# Altium PCB LimeSDR-Micro_1v1.PcbDoc (part 6 of 9) (continued)
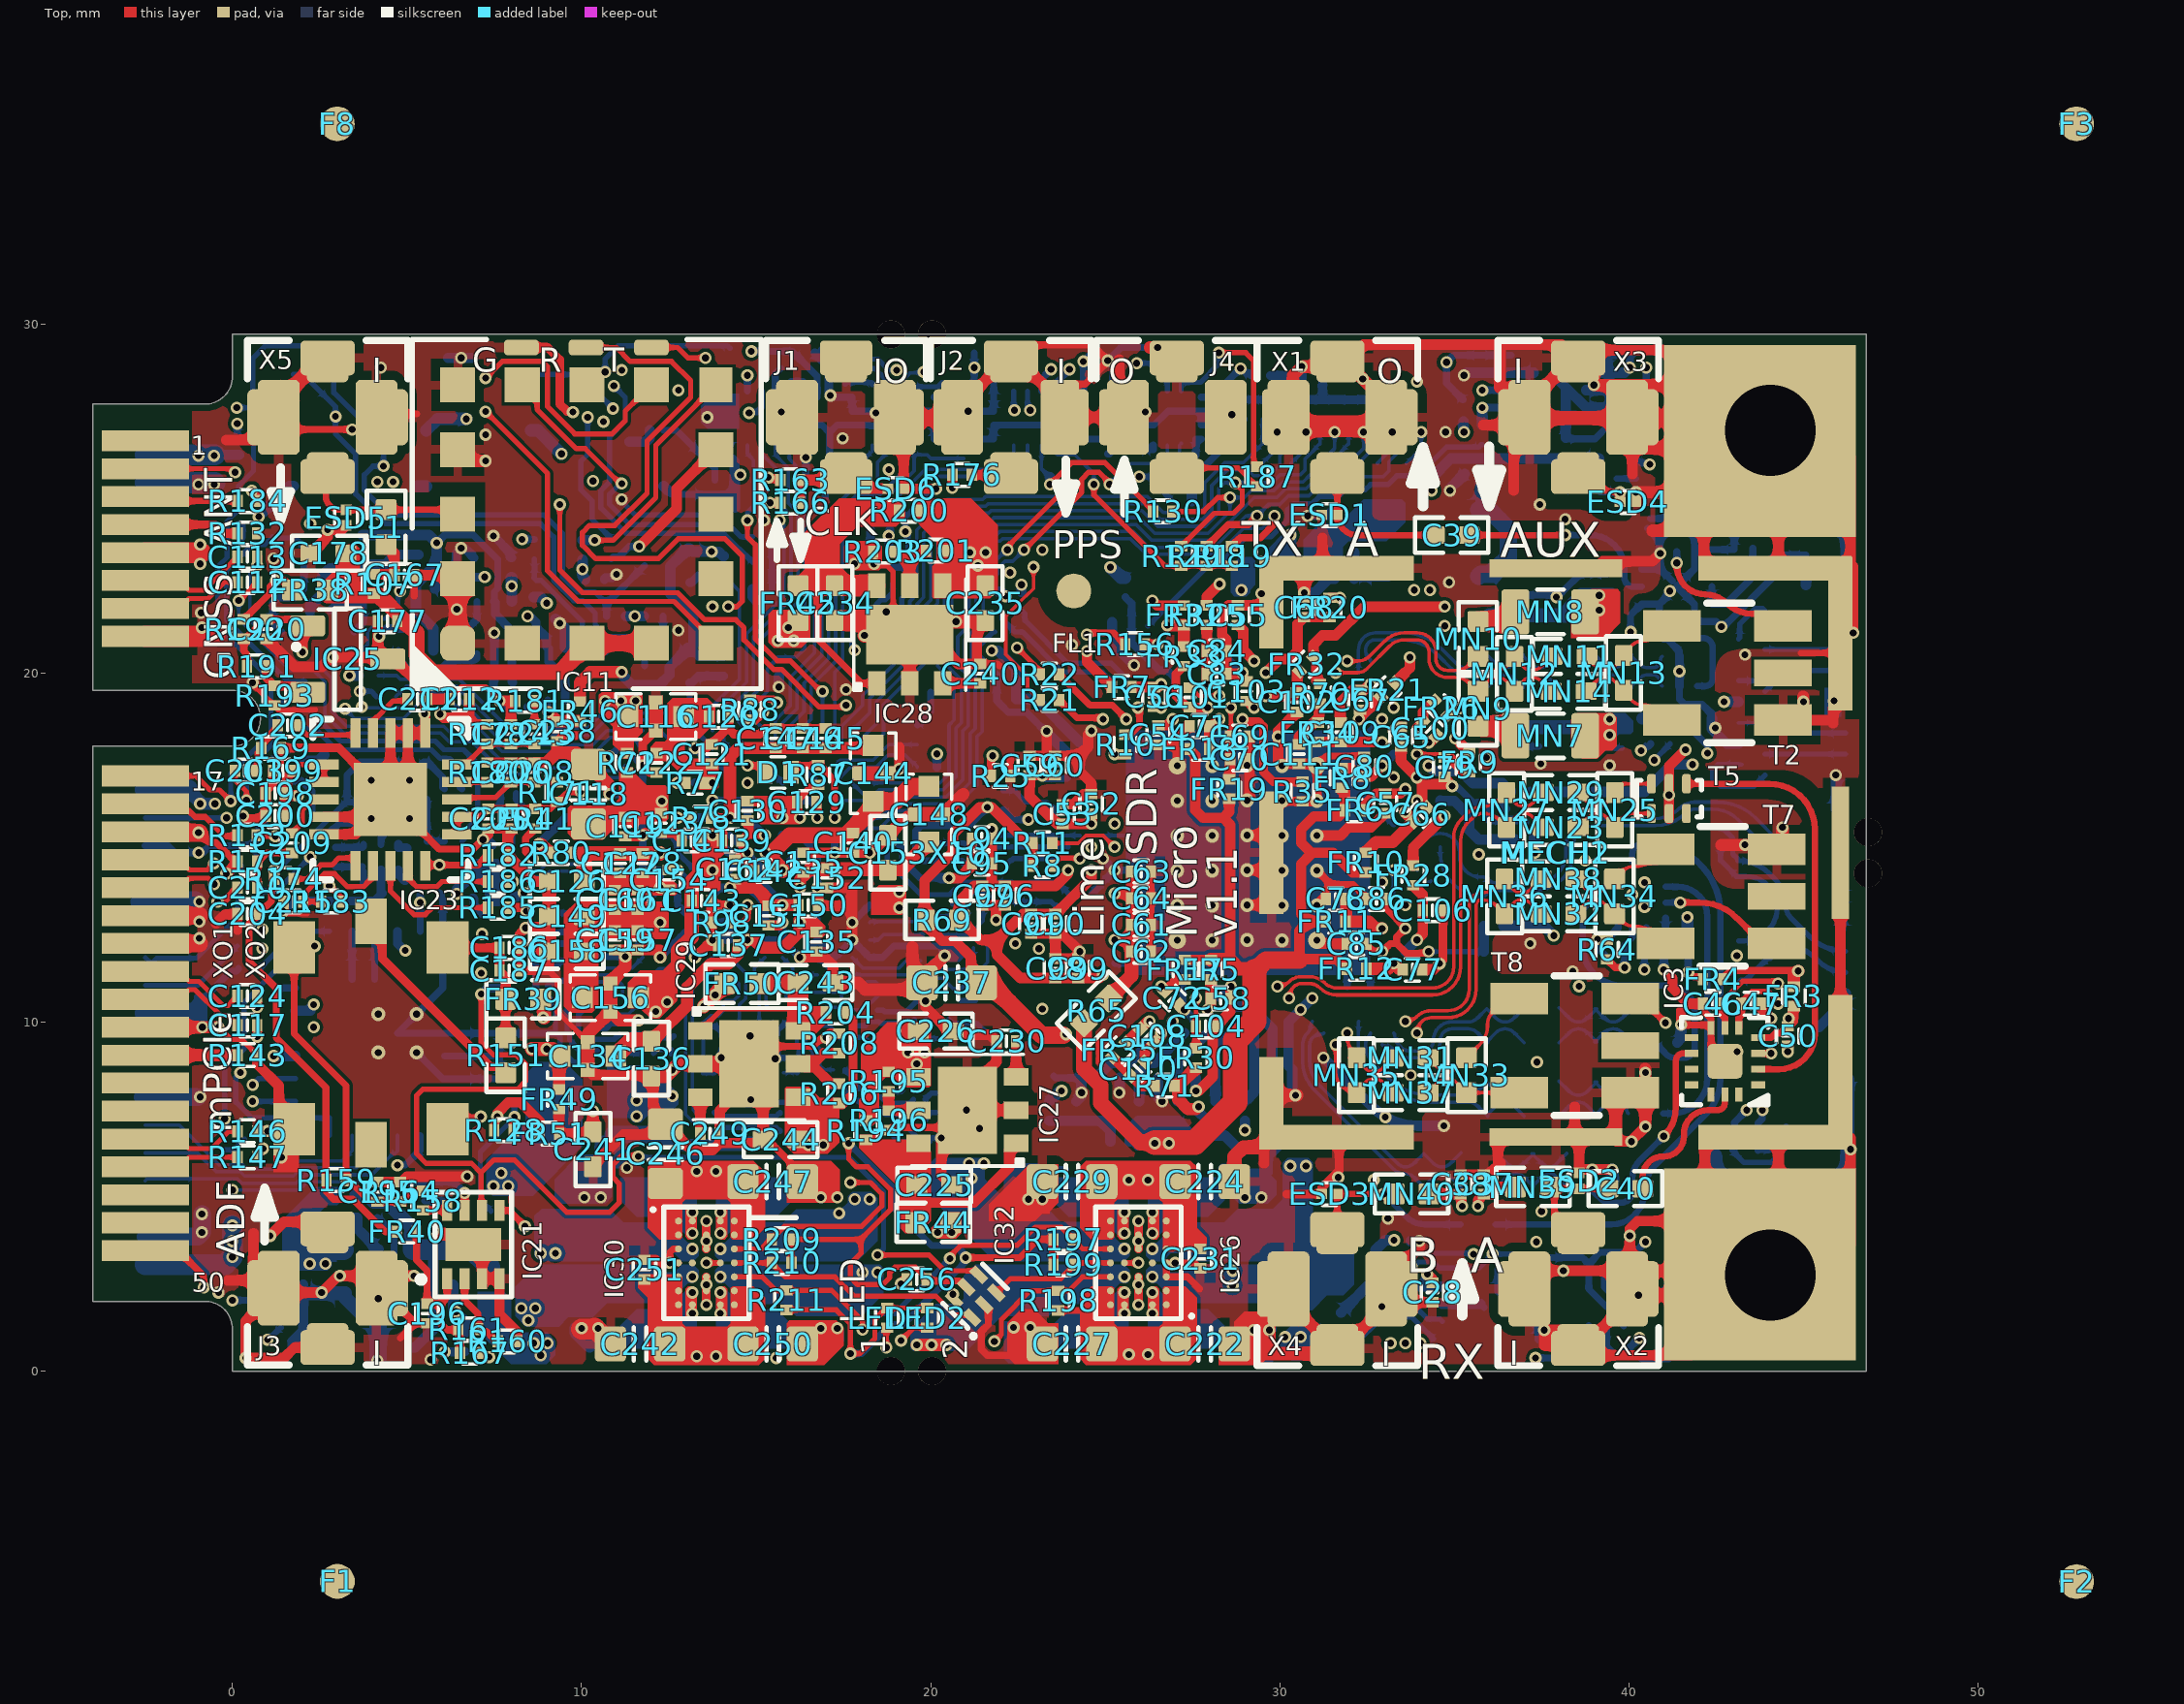
[diagram p0: Top view]
## Nets (pads, with @x,y where several pads share a name; then routed paths per layer and width w, separated by ;. In a path a pad name is that pad's centre, name@x,y a point inside that pad or via, vN(x,y) a via of type N, cw(c..) or ccw(c..) an arc to the next point about the centre after c; other vN are vias at no path point) (continued)
  Top w0.3: 19.65,4.825 21.241,4.825 22.25,5.834 22.25,6.325 IC27.1@22.45,6.525
  Top w0.6: 19.65,4.825 IC27.6@19.65,6.45
NetC230_2: C230.2 IC27.3 | length 0.9
  Top w0.3: IC27.3@22.45,8.425 C230.2@22.45,9.37
NetC234_2: C234.2 FR45.2 IC28.1 IC28.6 R200.1 | length 5.9
  Top w0.2: 16.775,22.5 16.775,20.95 18.025,19.7 IC28.1@18.45,19.7
  Top w0.6: FR45.2@16.2,22.5 16.775,22.5 C234.2@17.25,22.5 IC28.6@18.4,22.5
NetC240_2: C240.2 IC28.3 | length 0.9
  Top w0.3: IC28.3@20.35,19.7 C240.2@21.295,19.7
NetC243_2: C243.2 FR50.2 IC29.1 IC29.6 R204.1 | length 5.1
  Top w0.15: IC29.1@13.4,9.75 14.025,10.375 16.05,10.375
  Top w0.6: FR50.2@15.1,11.1 C243.2@16.175,11.1 ; IC29.6@16.2,9.825 C243.2@16.2,10.95
NetC249_2: C249.2 IC29.3 | length 0.9
  Top w0.3: C249.2@13.4,6.905 IC29.3@13.4,7.85
NetFR36_2: FR36.2 IC11.9 | length 6.6
  Top w0.15: v1(10.375,23.8) 10.9,23.8 12.125,25.025 12.125,26.525 13.425,27.825 13.45,27.825 13.85,28.225 IC11.9@13.85,28.25
  Bottom w0.3: FR36.2@10.025,23.805 10.37,23.805 v1(10.375,23.8)
NetFR37_2: FR37.2 IC11.10 | length 4.6
  Top w0.3: v1(11.65,23.625) 12.725,24.7 12.725,25.275 IC11.10@13.85,26.4
  Bottom w0.2: FR37.2@10.85,23.27 10.9,23.32 11.065,23.32 11.37,23.625 v1(11.65,23.625)
NetIC1_AA33: IC1.AA33 R7.2 | length 1.2
  Bottom w0.15: R7.2@22.85,14 23.636,14 23.938,13.697 IC1.AA33@23.938,13.68
NetIC1_D28: IC1.D28 R23.1 | length 4.4
  Bottom w0.11: IC1.D28@25.603,19.341 25.603,19.845
  Bottom w0.15: R23.1@22.6,21.77 22.625,21.77 22.7,21.695 22.7,21.505 23.93,20.275 25.171,20.275 25.371,20.075 25.374,20.075 25.603,19.845
NetIC1_F18: IC1.F18 R35.1 | length 3.2
  Top w0.25: v1(28.933,18.675) 28.961,18.675 29.028,18.608 29.389,18.608 29.535,18.462 29.535,17.165 29.82,16.88 R35.1@30.65,16.88
NetIC1_F28: IC1.F28 R22.1 | length 2.5
  Top w0.2: R22.1@23.68,19.957 24.562,19.075 25.204,19.075 v1(25.603,18.675)
NetIC1_F30: IC1.F30 R21.1 | length 1.5
  Top w0.2: R21.1@23.68,19.225 23.68,19.2 23.73,19.15 23.755,19.15 24.188,18.717 24.855,18.717 24.897,18.675 v1(24.937,18.675)
NetIC1_P34: IC1.P34 R24.1 | length 1.8
  Bottom w0.15: R24.1@22.075,16.63 22.395,16.63 22.725,16.3 23.317,16.3 IC1.P34@23.605,16.011
NetIC1_R29: IC1.R29 R24.2 | length 3.7
  L4 w0.2: v1(22.8,15.8) 24.1,15.8 24.475,16.175 24.774,16.175 v1(25.27,15.678)
  Bottom w0.2: R24.2@22.075,16.07 22.1,16.07 22.15,16.02 22.15,15.995 22.345,15.8 v1(22.8,15.8)
NetIC1_U31: IC1.U31 R25.2 | length 7.9
  Top w0.15: v1@24.587,15.029 v1(24.604,15.012)
  Top w0.2: R25.2@21.72,17.05 21.72,17.529 21.775,17.584 v1(21.775,17.625)
  L4 w0.3: v1(21.775,17.625) 21.525,17.625 20.5,16.6 20.5,15.525 21.1,14.925 22.2,14.925 22.375,15.1 24.091,15.1 24.095,15.104 24.448,15.104 24.452,15.1 24.517,15.1 v1(24.604,15.012)
NetIC1_V32: IC1.V32 R8.2 | length 0.9
  Top w0.15: R8.2@23.48,14.475 23.48,14.5 23.555,14.575 23.58,14.575 23.701,14.696 24.083,14.696 24.1,14.679 v1(24.271,14.679) v1@24.254,14.696
NetIC6_E8: IC6.E8 R98.1 | length 0.9
  Top w0.2: R98.1@14.28,12.85 14.305,12.825 14.6,12.825 14.751,12.976 v1(14.751,13.35)
NetIC6_K4: IC6.K4 R78.1 | length 0.4
  Top w0.2: v1(12.751,15.85) R78.1@13.145,15.85
NetIC6_M4: IC6.M4 R77.1 | length 0.2
  Top w0.35: v1(12.751,16.85) R77.1@12.946,16.85
NetIC6_M13: IC6.M13 R83.1 | length 2.9
  Bottom w0.1: IC6.M13@17.251,16.85 17.701,17.3 18.433,17.3 18.783,17.65 19.27,17.65 19.495,17.425 19.52,17.425 19.62,17.325 R83.1@19.62,17.3
NetIC6_N13: IC6.N13 R76.2 | length 2.6
  Bottom w0.1: IC6.N13@17.251,17.35 17.26,17.35 17.41,17.5 18.35,17.5 18.8,17.95 R76.2@19.62,17.95
NetIC6_R12: IC6.R12 R73.2 | length 7.6
  Top w0.15: v1(14.75,24.37) 14.75,23.9 14.975,23.675 14.975,20.979 15.604,20.35 15.976,20.35 v1@16.851,19.475
  Bottom w0.1: IC6.R12@16.751,18.35 16.901,18.5 v1(16.901,19.475)
  Bottom w0.15: v1(14.75,24.37) 14.75,24.595 R73.2@14.925,24.77
NetIC7_5: IC7.5 R75.1 R81.1 R144.2 | length 42
  L6 w0.1: v2(2.175,19.75) 2.475,19.45 2.475,17.96 2.3,17.785 2.3,17.36 1.55,16.61 1.55,16.34 1.74,16.15 2.324,16.15 3.749,17.575 5.35,17.575 6.475,16.45 6.475,15.958 6.85,15.583 6.85,15.09 7.505,14.435 7.505,13.628 7.8,13.333 7.8,12.075 9.1,10.775 9.37,10.775 10.875,12.28 10.875,13.075 11.525,13.725 11.525,14.584 12.416,15.475 12.9,15.475 13.375,15.95 13.811,15.95 14.036,16.175 14.401,16.175 14.476,16.1 15.152,16.1 15.527,16.475 17.125,16.475 v2(18.75,14.85)
  Bottom w0.15: R75.1@2.05,23.605 2.025,23.605 1.95,23.68 1.95,23.705 1.787,23.868 1.182,23.868 IC7.5@1.15,23.9 0.933,23.683 0.575,23.683 0.231,23.339 0.223,23.339 -0.175,22.94 -0.175,21.525 1.6,19.75 v2@2.075,19.75 ; v2(18.75,14.85) 18.75,14.625 19.725,13.65 20.545,13.65 20.895,14 R144.2@22.328,14
NetIC18_4: IC18.4 IC19.3 R154.1 R155.2 | length 22.5
  L6 w0.1: 1.658,21.641 ccw(c2.102,21.198) 1.475,21.198 1.475,20 ccw(c2.26,20) 1.705,19.445 ; 1.659,21.642 cw(c2.102,21.198) 2.102,21.825 3.575,21.825 cw(c3.575,20.98) 4.172,21.578 ; 1.705,19.445 1.865,19.285 cw(c1.478,18.899) 2.025,18.899 2.025,18.158 1.9,18.033 1.9,17.608 1.15,16.858 1.15,16.167 2.042,15.275 2.575,15.275 3.263,15.963 cw(c3.896,15.329) 3.896,16.225 5.241,16.225 cw(c5.241,15.941) 5.525,15.941 5.525,14.758 cw(c5.217,14.758) 5.217,14.45 4.646,14.45 ccw(c4.646,13.554) 4.013,14.188 ; v2(3.75,13.925) 4.013,14.188 ; 4.173,21.577 ccw(c4.77,22.175) 4.77,21.33 v2(6.8,21.33)
  Bottom w0.2: R154.1@2.95,14.445 IC19.3@3.725,14.445 ; v2(3.75,13.925) IC19.3@3.75,14.313 ; R155.2@6.4,20.93 6.425,20.93 6.475,20.98 6.475,21.005 v2(6.8,21.33) 7,21.53 IC18.4@7,22.05
NetIC19_1: IC19.1 IC20.4 R162.2 | length 26.4
  L6 w0.1: 1.95,19.483 cw(c2.614,20.147) 1.675,20.147 1.675,21.05 cw(c2.25,21.05) 2.25,21.625 2.675,21.625 cw(c2.675,20.599) 3.401,21.324 4.037,20.688 4.378,20.347 ccw(c5.397,21.367) 5.397,19.925 5.95,19.925 cw(c5.95,19.08) 6.548,19.677 7.439,18.786 ccw(c8.431,19.777) 8.431,18.375 8.769,18.375 ccw(c8.769,18.956) 9.179,18.545 ; 1.95,19.483 2.088,19.345 cw(c1.756,19.013) 2.225,19.013 2.225,18.075 2.1,17.95 2.1,17.525 1.35,16.775 1.35,16.25 2.125,15.475 2.492,15.475 3.171,16.154 cw(c3.826,15.499) 3.826,16.425 5.324,16.425 cw(c5.324,16.024) 5.725,16.024 5.725,15.512 ccw(c5.995,15.512) 5.804,15.321 6.125,15 cw(c5.823,14.698) 6.25,14.698 6.25,14.365 cw(c5.935,14.365) 5.935,14.05 v2(4.95,14.05) ; 9.18,18.545 9.563,18.928 ccw(c9.17,19.32) 9.725,19.32 cw(c10.28,19.32) 9.887,19.713 v2(10.11,19.935)
  Bottom w0.15: IC20.4@10.025,19.225 10.025,19.85 v2(10.11,19.935) 10.195,20.02 R162.2@10.675,20.02
  Bottom w0.25: IC19.1@4.75,14.362 4.75,14.225 4.754,14.225 4.929,14.05 v2(4.95,14.05)
NetIC19_4: IC19.4 R154.2 R156.1 | length 35
  Top w0.2: v1@24.6,21.15 25.245,21.15 25.495,20.9 25.52,20.9 25.57,20.85 R156.1@25.57,20.825
  L6 w0.1: 3.218,14.393 ccw(c3.505,14.107) 3.1,14.107 3.1,13.725 ccw(c4.428,13.725) 3.489,12.786 5.385,10.89 7.575,8.7 ccw(c8.722,9.848) 8.722,8.225 12.7,8.225 ccw(c12.7,8.5) 12.975,8.5 cw(c13.458,8.5) 13.116,8.841 13.492,9.217 ; 3.219,14.394 ccw(c2.932,14.68) 3.337,14.68 v2(3.337,15.005) ; 13.492,9.217 cw(c13.934,8.774) 13.934,9.4 14.144,9.4 cw(c14.144,9.144) 14.325,9.325 ccw(c14.566,9.566) 14.566,9.225 14.725,9.225 ccw(c14.725,9.708) 15.066,9.366 15.433,9.733 cw(c16.379,8.788) 16.379,10.125 16.632,10.125 ccw(c16.632,11.315) 17.474,10.474 18.534,11.534 cw(c18.875,11.192) 18.875,11.675 ccw(c18.875,12.279) 19.302,11.852 19.8,12.35 ccw(c18.955,13.195) 20.15,13.195 20.15,14.473 cw(c22.69,14.473) 20.894,16.269 20.975,16.35 ccw(c20.07,17.255) 21.35,17.255 21.35,17.375 cw(c22.436,17.375) 21.668,18.143 23.381,19.856 ccw(c22.911,20.325) 23.575,20.325 23.575,20.613 cw(c24.087,20.613) 23.725,20.975 23.77,21.02 cw(c24.023,20.768) 24.023,21.125 24.415,21.125 cw(c24.415,21.04) v1(24.475,21.1)
  Bottom w0.2: R154.2@2.95,15.005 v2(3.337,15.005) 3.725,15.005 3.75,15.03 IC19.4@3.75,15.087
NetIC21_2: IC21.2 R160.2 R161.2 | length 2.3
  Top w0.2: IC21.2@6.65,2.65 6.65,2.025 7.03,1.645 R161.2@7.03,1.2 7.03,1.175 7.08,1.125 7.295,1.125 7.545,0.875 R160.2@7.545,0.85
NetIC21_8: IC21.8 R158.1 | length 0.7
  Top w0.2: R158.1@5.455,4.605 6.145,4.605 IC21.8@6.15,4.6
NetIC23_11: IC23.11 R174.2 | length 2.2
  Top w0.15: R174.2@1.755,14.1 2.125,14.1 2.525,14.5 2.85,14.5 3.05,14.7 3.525,14.7 IC23.11@3.525,14.475
NetIC23_13: IC23.13 R185.1 | length 3.9
  Top w0.15: IC23.13@4.525,14.475 4.525,13.75 5.2,13.075 5.52,13.075 5.72,13.275 R185.1@7.32,13.275
NetIC23_14: IC23.14 R186.1 | length 2.8
  Top w0.15: IC23.14@5.025,14.475 5.072,14.428 5.072,14.078 5.275,13.875 5.85,13.875 6,14.025 R186.1@7.32,14.025
NetIC23_19: IC23.19 R180.1 | length 0.9
  Top w0.15: IC23.19@6.425,16.875 7.295,16.875 R180.1@7.3,16.87
NetIC24_5: IC24.5 R189.2 R192.1 | length 1.9
  Bottom w0.3: R189.2@2.904,4.392 3.577,4.392 3.577,4.075 3.579,4.075 3.725,3.929 3.725,3.925 IC24.5@4.175,3.475 IC24.5@4.185,3.485
NetIC25_2: IC25.2 R191.2 R193.1 | length 1.7
  Top w0.25: R191.2@0.975,20.187 0.986,20.176 0.986,19.844 1.15,19.68 1.15,19.655 1.175,19.63 R193.1@1.2,19.63 1.77,19.63 1.95,19.45 IC25.2@2.15,19.45
NetIC26_A2: IC26.A2 IC26.B2 L3.1
  other v1: 26.35,1.65 26.35,2.25
NetIC26_A4: IC26.A4 IC26.B4 L2.1
  other v1: 25.55,1.65 25.55,2.25
NetIC26_F2: IC26.F2 IC26.G2 L5.1
  other v1: 26.35,3.95 26.35,4.55
NetIC26_F4: IC26.F4 IC26.G4 L4.1
  other v1: 25.55,3.95 25.55,4.55
NetIC27_5: IC27.5 R195.2 R196.1 | length 1.4
  Top w0.3: R195.2@18.8,8.015 R196.1@18.8,7.465 IC27.5@19.64,7.465 ; IC27.5@19.64,7.465 IC27.5@19.65,7.475
NetIC28_5: IC28.5 R201.2 R203.1 | length 1.9
  Top w0.3: R203.1@18.915,23.5 19.015,23.5 19.39,23.124 ; IC28.5@19.4,22.5 19.39,22.51 19.39,23.124 ; R201.2@19.865,23.525 19.791,23.525 19.39,23.124
NetIC29_5: IC29.5 R206.2 R208.1 | length 2.7
  Top w0.3: R206.2@17.375,8.235 17.14,8.235 16.675,8.7 16.4,8.7 16.3,8.8 IC29.5@16.2,8.8 16.3,8.9 16.728,8.9 16.938,9.11 R208.1@17.375,9.11
NetIC30_A2: IC30.A2 IC30.B2 L7.1
  other v1: 13.175,3.95 13.175,4.55
NetIC30_A4: IC30.A4 IC30.B4 L6.1
  other v1: 13.975,3.95 13.975,4.55
NetIC30_C5: IC30.C5 IC30.D3 IC30.D4 R209.2 | length 11.6
  Top w0.15: v1(13.575,3.1) IC30.D4@13.975,3.1 ; IC30.C5@14.375,3.5 15.15,3.5 15.325,3.675 15.375,3.675 15.45,3.75 R209.2@15.45,3.775 15.45,3.8 15.525,3.875 15.538,3.875 15.813,4.15 18.021,4.15 18.6,4.729 18.6,5.075 18.272,5.403 v1(17.703,5.403)
  L6 w0.1: v1(13.575,3.1) 14.225,3.1 16.528,5.403 v1(17.703,5.403)
NetIC30_F2: IC30.F2 IC30.G2 L9.1
  other v1: 13.175,1.65 13.175,2.25
NetIC30_F4: IC30.F4 IC30.G4 L8.1
  other v1: 13.975,1.65 13.975,2.25
NetIC31_4: IC31.4 R212.2 R213.1 | length 1.7
  Bottom w0.3: R213.1@32.13,22.7 R213.1@32.13,22.725 ; R212.2@32.13,23.45 R213.1@32.13,22.725 ; IC31.4@33.1,22.775 32.205,22.775 32.155,22.725 R213.1@32.13,22.725
NetLED1_K: LED1.K R137.1 | length 34
  Top w0.15: v1(18.725,0.675) LED1.K@18.725,1.195
  L3 w0.1: v1(18.725,0.675) v1@18.738,0.688
  L6 w0.1: v1(18.725,0.675) 18.725,1.025 19.05,1.35 21.058,1.35 21.283,1.575 23.783,1.575 24.358,1 26.575,1 27.1,0.475 35.275,0.475 37,2.2 38.075,2.2 38.6,2.725 38.6,4.75 38.425,4.925 38.425,5.992 40.033,7.6 41.65,7.6 42.4,6.85 44.35,6.85 v2(44.5,7)
  Bottom w0.2: R137.1@43.7,6.32 43.727,6.347 44.022,6.347 44.5,6.825 v2(44.5,7)
NetLED2_K: LED2.K R145.1 | length 35.5
  Top w0.15: v1(19.15,0.875) 19.52,1.245 LED2.K@19.9,1.245
  L6 w0.1: v1(19.15,0.875) 19.4,1.125 20.55,1.125 21.325,0.35 24.8,0.35 25.25,0.8 26.492,0.8 27.017,0.275 35.358,0.275 37.083,2 38.158,2 38.8,2.642 38.8,4.833 38.625,5.008 38.625,5.91 40.115,7.4 41.567,7.4 42.392,6.575 v2(45.025,6.575)
  Bottom w0.15: R145.1@42.95,6.325 42.975,6.325 43.05,6.25 43.05,6.225 43.3,5.975 44.075,5.975 44.675,6.575 v2(45.025,6.575)
NetMN7_1: MN7.1 MN9.2 | length 1.2
  Top w0.6: MN9.2@35.675,18.475 36.475,18.475 MN7.1@36.75,18.2
NetMN8_1: MN8.1 MN10.2 | length 1.2
  Top w0.6: MN10.2@35.675,21.475 36.475,21.475 MN8.1@36.75,21.75
NetR2_2: R2.2 R3.2 R4.2 | length 0.6
  Bottom w0.15: R2.2@13.815,9.9 14,9.715 ; R3.2@14,9.59 14,9.715 ; R4.2@14.185,9.9 14,9.715
NetR16_2: R16.2 R17.2 R18.2 | length 0.7
  Bottom w0.15: R18.2@15.415,9.975 15.625,9.765 ; R17.2@15.625,9.64 15.625,9.765 ; R16.2@15.835,9.975 15.625,9.765
NetR76_1: R76.1 TP1.1 | length 1.1
  Bottom w0.2: R76.1@19.62,18.51 20,18.89 TP1.1@20,19.45
NetR88_1: R88.1 X9.6 | length 12.1
  Top w0.2: R88.1@14.825,19.255 15.495,19.255 v1(15.6,19.15)
  L6 w0.1: v1(12.775,28.1) 12.5,27.825 12.5,23.075 12.35,22.925 12.35,21.075 14.05,19.375 15.375,19.375 v1(15.6,19.15)
NetR136_1: R136.1 R142.1 X10.30 | length 4
  Bottom w0.14: X10.30@-2.5,11.85 -2.325,11.675 -2.175,11.825 -1.037,11.825 0.17,13.032 R142.1@0.17,13.75
NetR139_1: R139.1 X10.32 | length 3.1
  Bottom w0.14: X10.32@-2.5,11.05 -0.986,11.05 R139.1@0.145,12.181
NetR143_2: R143.2 X10.37 | length 2.6
  Top w0.35: X10.37@-2.55,9.05 R143.2@0.069,9.05
NetR146_2: R146.2 X10.43 | length 3
  Top w0.14: X10.43@-2.5,6.65 -2.325,6.475 -1.35,6.475 -1.245,6.37 -0.605,6.37 -0.103,6.872 R146.2@0.145,6.872
NetR147_2: R147.2 X10.45 | length 2.8
  Top w0.14: X10.45@-2.5,5.85 -2.325,6.025 -1.35,6.025 -1.245,6.13 0.068,6.13 R147.2@0.145,6.053
NetR151_1: R151.1 XO1.6 | length 6.1
  Top w0.25: XO1.6@3.964,12.885 4.289,12.56 4.289,11.822 7.387,8.725 7.646,8.725 R151.1@7.823,8.548
NetR176_1: R176.1 R177.1 | length 8.5
  Top w0.25: v1(20.62,25.305) R176.1@20.62,25.675 R176.1@20.635,25.66
  L6 w0.1: v2(15,22.075) 15.4,22.475 18.966,22.475 20.62,24.129 v1(20.62,25.305) v1@20.62,25.405
  Bottom w0.3: R177.1@14.9,22.4 14.9,22.189 15,22.089 v2(15,22.075)
PCIE_CLK_IN: R133.1 X10.19 | length 3
  Top w0.18: X10.19@-2.5,16.25 -2.29,16.04 -1.24,16.04 -1.075,15.875 -0.778,15.875 -0.225,15.322 R133.1@0.142,15.322
PCIE_CLK_OUT: IC22.4 R134.2 R136.2 | length 31.6
  L3 w0.1: v1(0.855,12.65) 0.35,13.155 0.35,15.433 1.05,16.133 1.05,17.208 1.525,17.683 1.525,19.792 1.175,20.142 1.175,21.483 4.467,24.775 8.625,24.775 8.9,24.5 9.51,24.5 9.635,24.625 11.492,24.625 13.342,26.475 15.633,26.475 16.783,25.325 17.4,25.325 v1(18.8,23.925)
  Bottom w0.2: R136.2@0.73,13.1 0.78,13.05 0.78,12.766 0.855,12.691 v1(0.855,12.65)
  Bottom w0.25: 18.8,23.65 v1(18.8,23.925) 18.83,23.955 R134.2@18.83,24.1
PCIE_PER0_N: C115.1 X10.23 | length 10.4
  Top w0.14: X10.23@-2.5,14.65 -2.325,14.475 -1.35,14.475 -1.231,14.355 -0.72,14.355 v1(-0.525,14.55)
  L4 w0.1: v1(-0.525,14.55) -0.525,15.2 -0.375,15.35 0.511,15.35 1.008,15.847 1.706,15.847 2.225,16.365 2.225,17.308 2.7,17.783 2.7,19.275 v1(3.35,19.925)
  Bottom w0.3: v1(3.35,19.925) C115.1@3.62,19.925
PCIE_PER0_P: C114.1 X10.25 | length 10.9
  Top w0.14: X10.25@-2.5,13.85 -2.325,14.025 -1.35,14.025 -1.26,14.115 -0.69,14.115 v1(-0.525,13.95)
  L4 w0.1: v1(-0.525,13.95) -0.5,13.925 -0.04,13.925 0.275,14.24 0.275,14.831 1.091,15.647 1.814,15.647 2.425,16.258 2.425,17.225 2.9,17.7 2.9,18.84 2.9,19.11 3.265,19.475 v1(3.65,19.475)
  Bottom w0.15: v1(3.65,19.475) 3.97,19.475 C114.1@4.12,19.325
PCIE_PERST#: R89.1 R135.2 R202.1 X10.22 | length 20.1
  L6 w0.1: v1(-0.97,14.85) -0.97,13.955 -1.475,13.45 -1.475,3.501 -1.106,3.132 -0.782,3.132 0,2.35 v1(0,2.026)
  Bottom w0.2: X10.22@-2.5,15.05 -1.845,15.05 -1.645,14.85 v1(-0.97,14.85) -0.845,14.85 -0.645,15.05 0.5,15.05 ; v1(0,2.026) 1.179,2.026 R202.1@1.4,1.805 ; R135.2@0.729,14.467 0.729,14.821 0.5,15.05 ; R89.1@0.99,15.825 0.75,15.585 0.75,15.299 0.5,15.05
PCIE_PET0_N: C124.1 X10.31 | length 3.2
  Top w0.14: X10.31@-2.5,11.45 -2.325,11.275 -1.35,11.275 -1.245,11.17 -0.97,11.17 -0.275,10.475 -0.127,10.475 C124.1@0.145,10.747
PCIE_PET0_P: C117.1 X10.33 | length 3.2
  Top w0.14: X10.33@-2.5,10.65 -2.325,10.825 -1.35,10.825 -1.245,10.93 -1.08,10.93 -0.345,10.195 -0.147,10.195 C117.1@0.145,9.903
PCIE_PPS_IN: R170.1 X10.3 | length 23.4
  Top w0.14: X10.3@-2.5,25.85 -0.025,25.85 v1(0.075,25.75)
  L4 w0.1: v1(0.075,25.75) 2.45,28.125 9.675,28.125 9.775,28.225 v1(10.925,28.225)
  Bottom w0.15: v1(10.925,28.225) 11.25,27.9 11.25,27.225 10.8,26.775 10.8,25.475 10.55,25.225 10.55,24.725 11.275,24 14.075,24 R170.1@14.913,23.163
PCIE_PPS_OUT: R184.1 X10.5 | length 2.7
  Top w0.18: X10.5@-2.5,25.05 -2.375,24.925 R184.1@0.145,24.925
PCIE_REF_CLK_N: C113.1 X10.11 | length 3.2
  Top w0.14: X10.11@-2.5,22.65 -2.325,22.475 -1.35,22.475 -1.245,22.37 -0.81,22.37 0.04,23.22 0.065,23.22 0.145,23.3 C113.1@0.145,23.325
PCIE_REF_CLK_P: C112.1 X10.13 | length 3
  Top w0.14: X10.13@-2.5,21.85 -2.325,22.025 -1.35,22.025 -1.245,22.13 -0.695,22.13 -0.225,22.6 C112.1@0.145,22.6
PCIE_RESERVED: IC15.4 R147.1 | length 9.8
  Top w0.14: R147.1@0.705,6.128 0.875,6.298 v1(0.875,6.375)
  L4 w0.1: v1(0.875,6.375) 1.175,6.375 1.525,6.725 1.525,10.792 2.058,11.325 3.033,11.325 3.758,12.05 v1(4.95,12.05)
  Bottom w0.25: IC15.4@4.725,12.6 4.725,12.25 v1@4.925,12.05
PCIE_RX1_N: X10.47
PCIE_RX1_P: X10.49
PCIE_TX1_N: X10.39
PCIE_TX1_P: X10.41
PCIE_W_DISABLE2#: IC8.9 R150.1 X10.51 | length 51.6
  Top w0.2: X10.51@-2.5,3.45 -1.55,3.45 -0.825,2.725 v1(-0.825,2.4)
  L4 w0.1: v1(-0.825,2.4) -2.675,4.25 -2.675,16.758 -1.758,17.675 0.5,17.675 1.146,18.321 1.146,19.629 0.675,20.1 -1.308,20.1 -2.175,20.967 -2.175,25.975 -1.008,27.142 v1(0.134,27.142) 2.068,29.075 5.975,29.075 6.35,28.7 6.8,28.7 7.1,29 12.525,29 13,28.525 v1(14.75,28.525)
  Bottom w0.2: v1@0.134,27.167 v1(0.134,27.142) 0.134,26.858 R150.1@0.183,26.81 ; IC8.9@14.75,28.075 v1@14.75,28.55
PCIE_W_DISABLE2#_LS: IC8.4 R73.1 | length 1.3
  Bottom w0.1: IC8.4@14.75,26.525 14.75,26.275 14.925,26.1 R73.1@14.925,25.33
R1_N: C124.2 IC6.R2 | length 19.7
  Top w0.25: v1(0.705,10.422) C124.2@0.705,10.747
  L4 w0.1: v1(0.705,10.422) 0.325,10.802 0.325,13.367 0.85,13.892 0.85,14.465 1.06,14.675 1.408,14.675 2.825,16.092 2.825,16.975 3.7,17.85 v1(3.7,19.025)
  Bottom w0.1: v1@3.7,19 4.9,19 5.325,19.425 6.324,19.425 7.799,17.95 10.325,17.95 10.725,18.35 IC6.R2@11.751,18.35
R1_P: C117.2 IC6.P2 | length 21.2
  Top w0.25: v1(0.705,9.578) C117.2@0.705,9.903
  L4 w0.1: v1(0.705,9.578) 0.125,10.158 0.125,13.45 0.65,13.975 0.65,14.547 0.978,14.875 1.325,14.875 2.625,16.175 2.625,17.058 3.225,17.658 v1(3.225,18.975)
  Bottom w0.1: v1(3.225,18.975) 3.5,18.7 4.9,18.7 5.425,19.225 6.241,19.225 7.716,17.75 10.408,17.75 10.808,18.15 11.451,18.15 IC6.P2@11.751,17.85
RX1_H: IC3.2 T5.1 | length 12.5
  Top w0.18: T5.1@41.65,16.825 44.025,16.825 cw(c44.025,15.525) 45.325,15.525 45.325,9.668 cw(c44.307,9.668) 44.307,8.65 IC3.2@43.702,8.65
RX1_H_A_N: IC1.AJ15 MN27.1 MN29.2 | length 12.8
  Top w0.1: v1(29.932,11.016) cw(c30.015,10.934) 30.015,11.05 ccw(c30.015,11.396) 30.26,11.151 cw(c30.618,10.793) 30.618,11.3 30.849,11.3 cw(c30.849,10.676) 31.291,11.117 ; 31.291,11.116 ccw(c31.633,11.458) 31.633,10.975 34.375,10.975 ccw(c34.375,11.581) 34.981,11.581 34.981,15.28 cw(c35.728,15.28) 35.2,15.808 35.38,15.988 ; 35.436,16.044 35.38,15.988 ; 35.834,16.175 ccw(c35.834,15.531) 35.38,15.988 ; 35.835,16.175 ccw(c35.835,16.81) 36.284,16.361 MN27.1@36.473,16.55 ; MN27.1@36.498,16.575 MN27.1@36.473,16.55 ; MN29.2@37.548,16.575 37.255,16.282 cw(c36.997,16.54) 36.998,16.175 cw(c36.999,16.54) 36.741,16.282 MN27.1@36.473,16.55
RX1_H_A_P: IC1.AK14 MN23.2 MN27.2 | length 12.6
  Top w0.1: v1(30.265,10.683) ccw(c30.183,10.765) 30.3,10.765 30.3,10.773 cw(c30.626,10.773) 30.395,11.004 cw(c30.626,10.773) 30.626,11.1 30.848,11.1 cw(c30.848,10.673) 31.151,10.974 ccw(c31.632,11.456) 31.632,10.775 34.375,10.775 ccw(c34.375,11.581) 35.181,11.581 35.181,15.197 cw(c35.928,15.197) 35.4,15.725 35.519,15.844 cw(c35.835,15.528) 35.835,15.975 cw(c35.835,15.34) 36.284,15.789 MN27.2@36.473,15.6 ; MN27.2@36.498,15.575 MN27.2@36.473,15.6 ; MN23.2@37.548,15.575 37.255,15.868 ccw(c36.997,15.61) 36.998,15.975 ccw(c36.999,15.61) 36.741,15.868 MN27.2@36.473,15.6
RX1_H_B_N: MN25.1 MN29.1 T5.3 | length 2.6
  Top w0.1: MN29.1@38.548,16.575 38.841,16.282 ccw(c39.099,16.54) 39.099,16.175 ; 39.097,16.175 ccw(c39.097,16.54) 39.355,16.282 MN25.1@39.623,16.55 ; MN25.1@39.598,16.575 cw(c39.848,16.575) 39.848,16.825 T5.3@40.65,16.825
RX1_H_B_P: MN23.1 MN25.2 T5.4 | length 2.5
  Top w0.1: MN23.1@38.548,15.575 38.841,15.868 cw(c39.099,15.61) 39.098,15.975 cw(c39.097,15.61) 39.355,15.868 MN25.2@39.601,15.622 ; MN25.2@39.598,15.575 cw(c39.998,15.575) MN25.2@39.601,15.622 ; MN25.2@39.623,15.6 MN25.2@39.601,15.622 ; MN25.2@39.726,15.622 cw(c40.123,15.575) 40.123,15.975 T5.4@40.65,15.975
RX1_L: IC3.9 T3.2 | length 6.3
  Top w0.18: v1(41,6.725) ccw(c40.155,7.57) 41.35,7.57 41.35,8.9 cw(c41.55,8.9) 41.55,9.1 IC3.9@41.797,9.1
  Bottom w0.18: T3.2@38.875,5.26 39.211,4.924 ccw(c39.45,5.163) 39.45,4.825 39.775,4.825 ccw(c39.775,5.15) 40.1,5.15 40.1,5.513 cw(c40.854,5.513) 40.321,6.046 v1(41,6.725)
RX1_L_A_N: IC1.AM12 MN19.1 MN21.2 | length 7.7
  Bottom w0.1: IC1.AM12@30.932,10.017 ccw(c31.014,9.935) 30.897,9.935 cw(c30.551,9.935) 30.796,9.69 ccw(c31.137,9.349) 30.655,9.349 30.655,8.868 ccw(c31.817,8.868) 30.995,8.047 ; 31.021,8.021 33.101,5.941 33.243,5.8 ccw(c33.595,6.152) 33.595,5.653 33.596,5.653 cw(c33.596,5.289) 33.854,5.547 MN19.1@34.122,5.279 ; MN19.1@34.147,5.253 MN19.1@34.122,5.279 ; MN21.2@35.197,5.253 34.904,5.547 ccw(c34.647,5.289) 34.647,5.653 ccw(c34.648,5.289) 34.391,5.547 MN19.1@34.122,5.279
RX1_L_A_P: IC1.AN11 MN16.2 MN19.2 | length 7.3
  Bottom w0.1: IC1.AN11@31.265,9.684 cw(c31.182,9.766) 31.182,9.65 31.172,9.65 ccw(c31.172,9.328) 30.944,9.556 ccw(c31.16,9.34) 30.855,9.34 30.855,8.905 ccw(c31.905,8.905) 31.162,8.163 31.221,8.104 33.301,6.024 33.383,5.942 ccw(c33.596,6.155) 33.596,5.854 ccw(c33.596,6.218) 33.854,5.96 34.122,6.228 34.391,5.96 ccw(c34.648,6.218) 34.647,5.854 ccw(c34.647,6.218) 34.904,5.96 MN16.2@35.197,6.253
RX1_L_B_N: MN17.1 MN21.1 T3.3 | length 2.7
  Bottom w0.1: MN21.1@36.197,5.253 36.491,5.547 cw(c36.748,5.289) 36.748,5.653 ; 36.747,5.653 cw(c36.747,5.289) 37.004,5.547 MN17.1@37.272,5.279 ; MN17.1@37.223,5.279 37.491,5.547 cw(c37.748,5.289) 37.748,5.653 cw(c37.748,5.436) 37.902,5.59 T3.3@38.225,5.267
RX1_L_B_P: MN16.1 MN17.2 T3.4 | length 2.7
  Bottom w0.1: MN16.1@36.197,6.253 36.491,5.96 ccw(c36.748,6.218) 36.747,5.854 ccw(c36.747,6.218) 37.004,5.96 MN17.2@37.272,6.228 ; MN17.2@37.223,6.228 37.247,6.204 37.491,5.96 ccw(c37.748,6.218) 37.748,5.854 ccw(c37.748,6.071) 37.902,5.917 T3.4@38.225,6.24
RX1_W: IC3.3 T8.1 | length 5
  Top w0.18: T8.1@40.04,10.67 T8.1@40.305,10.67 ; T8.1@40.33,10.695 v1(41.05,9.975) ; IC3.3@43.702,9.1 v1(44.075,9.1)
  L6 w0.1: v1@41.025,9.95 ccw(c41.085,9.95) 41.043,9.907 41.25,9.7 ccw(c41.612,10.062) 41.612,9.55 43.039,9.55 cw(c43.039,9.1) 43.357,9.418 43.392,9.383 ccw(c44.075,10.066) v1(44.075,9.1)
RX1_W_A_N: IC1.AP10 MN35.1 MN37.2 | length 3
  Top w0.1: v1(31.598,9.351) 31.598,8.577 ccw(c32.175,8.577) 32.175,8 32.443,8.268 cw(c32.701,8.01) 32.701,8.375 ; 32.699,8.375 cw(c32.699,8.01) 32.957,8.268 MN37.2@33.25,7.975
RX1_W_A_P: IC1.AN9 MN31.2 MN35.2 | length 2.4
  Top w0.1: v1(31.931,9.684) 31.931,9.626 ccw(c32.851,9.626) MN35.2@32.2,8.975 MN35.2@31.995,8.975 ; MN35.2@32.175,8.95 32.443,8.682 ccw(c32.701,8.94) 32.701,8.575 ; 32.699,8.575 ccw(c32.699,8.94) 32.957,8.682 MN31.2@33.25,8.975
RX1_W_B_N: MN33.1 MN37.1 T8.4 | length 2.9
  Top w0.1: MN37.1@34.25,7.975 34.543,8.268 cw(c34.801,8.01) 34.801,8.375 ; 34.799,8.375 cw(c34.799,8.01) 35.057,8.268 MN33.1@35.325,8 ; MN33.1@35.35,7.975 T8.4@36.86,7.975
RX1_W_B_P: MN31.1 MN33.2 T8.6 | length 3.8
  Top w0.1: MN31.1@34.25,8.975 34.543,8.682 ccw(c34.801,8.94) 34.801,8.575 ; 34.799,8.575 ccw(c34.799,8.94) 35.057,8.682 MN33.2@35.325,8.95 ; MN33.2@35.35,8.975 35.72,9.345 ccw(c35.165,9.9) 35.95,9.9 ; 35.95,9.934 cw(c36.411,9.934) 36.085,10.26 36.085,10.27 36.227,10.412 36.237,10.412 cw(c36.86,9.789) T8.6@36.86,10.67
RX2_H: IC4.2 T6.1 | length 8.2
  Bottom w0.18: T6.1@40.983,7.38 41.244,7.38 ccw(c41.244,8.386) 42.25,8.386 42.25,13.029 ccw(c41.404,13.029) 41.404,13.875 IC4.2@41.053,13.875
RX2_H_A_N: IC1.AM8 MN28.1 MN30.2 | length 6.7
  Bottom w0.1: IC1.AM8@32.264,10.017 32.256,10.009 32.256,9.343 ccw(c33.175,9.343) 32.525,8.692 32.961,8.256 ccw(c34.293,9.589) 34.293,7.705 35.07,7.705 35.401,7.705 cw(c35.401,7.34) 35.659,7.598 MN28.1@35.927,7.33 ; MN28.1@35.952,7.305 MN28.1@35.927,7.33 ; MN30.2@37.002,7.305 36.709,7.598 ccw(c36.451,7.34) 36.452,7.704 ccw(c36.453,7.34) 36.196,7.598 MN28.1@35.927,7.33
RX2_H_A_P: IC1.AN7 MN24.2 MN28.2 | length 6
  Bottom w0.1: IC1.AN7@32.597,9.684 cw(c32.494,9.684) 32.566,9.611 ccw(c32.834,9.344) 32.456,9.344 ccw(c33.178,9.344) 32.667,8.833 33.1,8.4 ccw(c34.296,9.596) 34.296,7.905 35.07,7.905 ; 35.073,7.905 35.401,7.905 ccw(c35.401,8.269) 35.659,8.011 35.927,8.28 36.196,8.011 ccw(c36.453,8.269) 36.452,7.905 ccw(c36.451,8.269) 36.709,8.011 MN24.2@37.002,8.305
RX2_H_B_N: MN26.1 MN30.1 T6.3 | length 2.7
  Bottom w0.1: MN30.1@38.002,7.305 38.296,7.598 cw(c38.553,7.34) 38.553,7.705 ; 38.551,7.705 cw(c38.551,7.34) 38.809,7.598 MN26.1@39.052,7.355 ; MN26.1@39.027,7.33 MN26.1@39.052,7.355 ; MN26.1@39.077,7.33 MN26.1@39.052,7.355 ; T6.3@39.983,7.38 cw(c40.103,7.5) 39.933,7.5 ccw(c39.728,7.5) 39.728,7.705 39.553,7.705 ccw(c39.553,7.34) 39.296,7.598 MN26.1@39.052,7.355
RX2_H_B_P: MN24.1 MN26.2 T6.4 | length 2.7
  Bottom w0.1: MN24.1@38.002,8.305 38.296,8.011 ccw(c38.553,8.269) 38.553,7.905 ; 38.551,7.905 ccw(c38.551,8.269) 38.809,8.011 MN26.2@39.077,8.28 ; MN26.2@39.027,8.28 39.296,8.011 ccw(c39.553,8.269) 39.553,7.905 39.728,7.905 ccw(c39.728,8.109) 39.933,8.109 cw(c40.103,8.109) T6.4@39.983,8.23
RX2_L: IC4.9 T4.2 | length 8.4
  Bottom w0.18: IC4.9@39.148,13.425 39,13.425 ccw(c39,13.1) 38.778,13.337 ccw(c39,13.1) 38.675,13.1 38.675,12.175 ccw(c39.8,12.175) 39.8,11.05 41.129,11.05 cw(c41.129,10.295) 41.885,10.295 41.885,9.28 cw(c41.585,9.28) 41.585,8.98 41.31,8.98 cw(c41.31,9.317) 41.071,9.079 T4.2@40.735,9.415
RX2_L_A_N: IC1.AP6 MN20.1 MN22.2 | length 5.1
  Bottom w0.1: IC1.AP6@32.93,9.351 ccw(c33.012,9.433) 33.012,9.317 cw(c33.012,8.971) 33.256,9.216 ; 33.257,9.216 33.336,9.136 ccw(c33.724,9.524) 33.724,8.975 34.1,8.975 ccw(c34.1,9.475) 34.6,9.475 cw(c34.93,9.475) 34.93,9.805 35.401,9.805 cw(c35.401,9.44) 35.659,9.698 MN20.1@35.927,9.43 ; MN20.1@35.952,9.405 MN20.1@35.927,9.43 ; MN22.2@37.002,9.405 36.709,9.698 ccw(c36.451,9.44) 36.452,9.805 ccw(c36.453,9.44) 36.196,9.698 MN20.1@35.927,9.43